# Altium PCB PCB1.PcbDoc (part 2 of 3)
Units mil, origin at the board's own origin, x right, y up, seen from the top; angles counter-clockwise.
Board outline 4795 x 5413.32 mil, 4 copper layers (Top Layer, GND, PWR, Bottom Layer), stack 13.956 mil thick; 198 components, 204 nets, 874 pads, 430 vias.
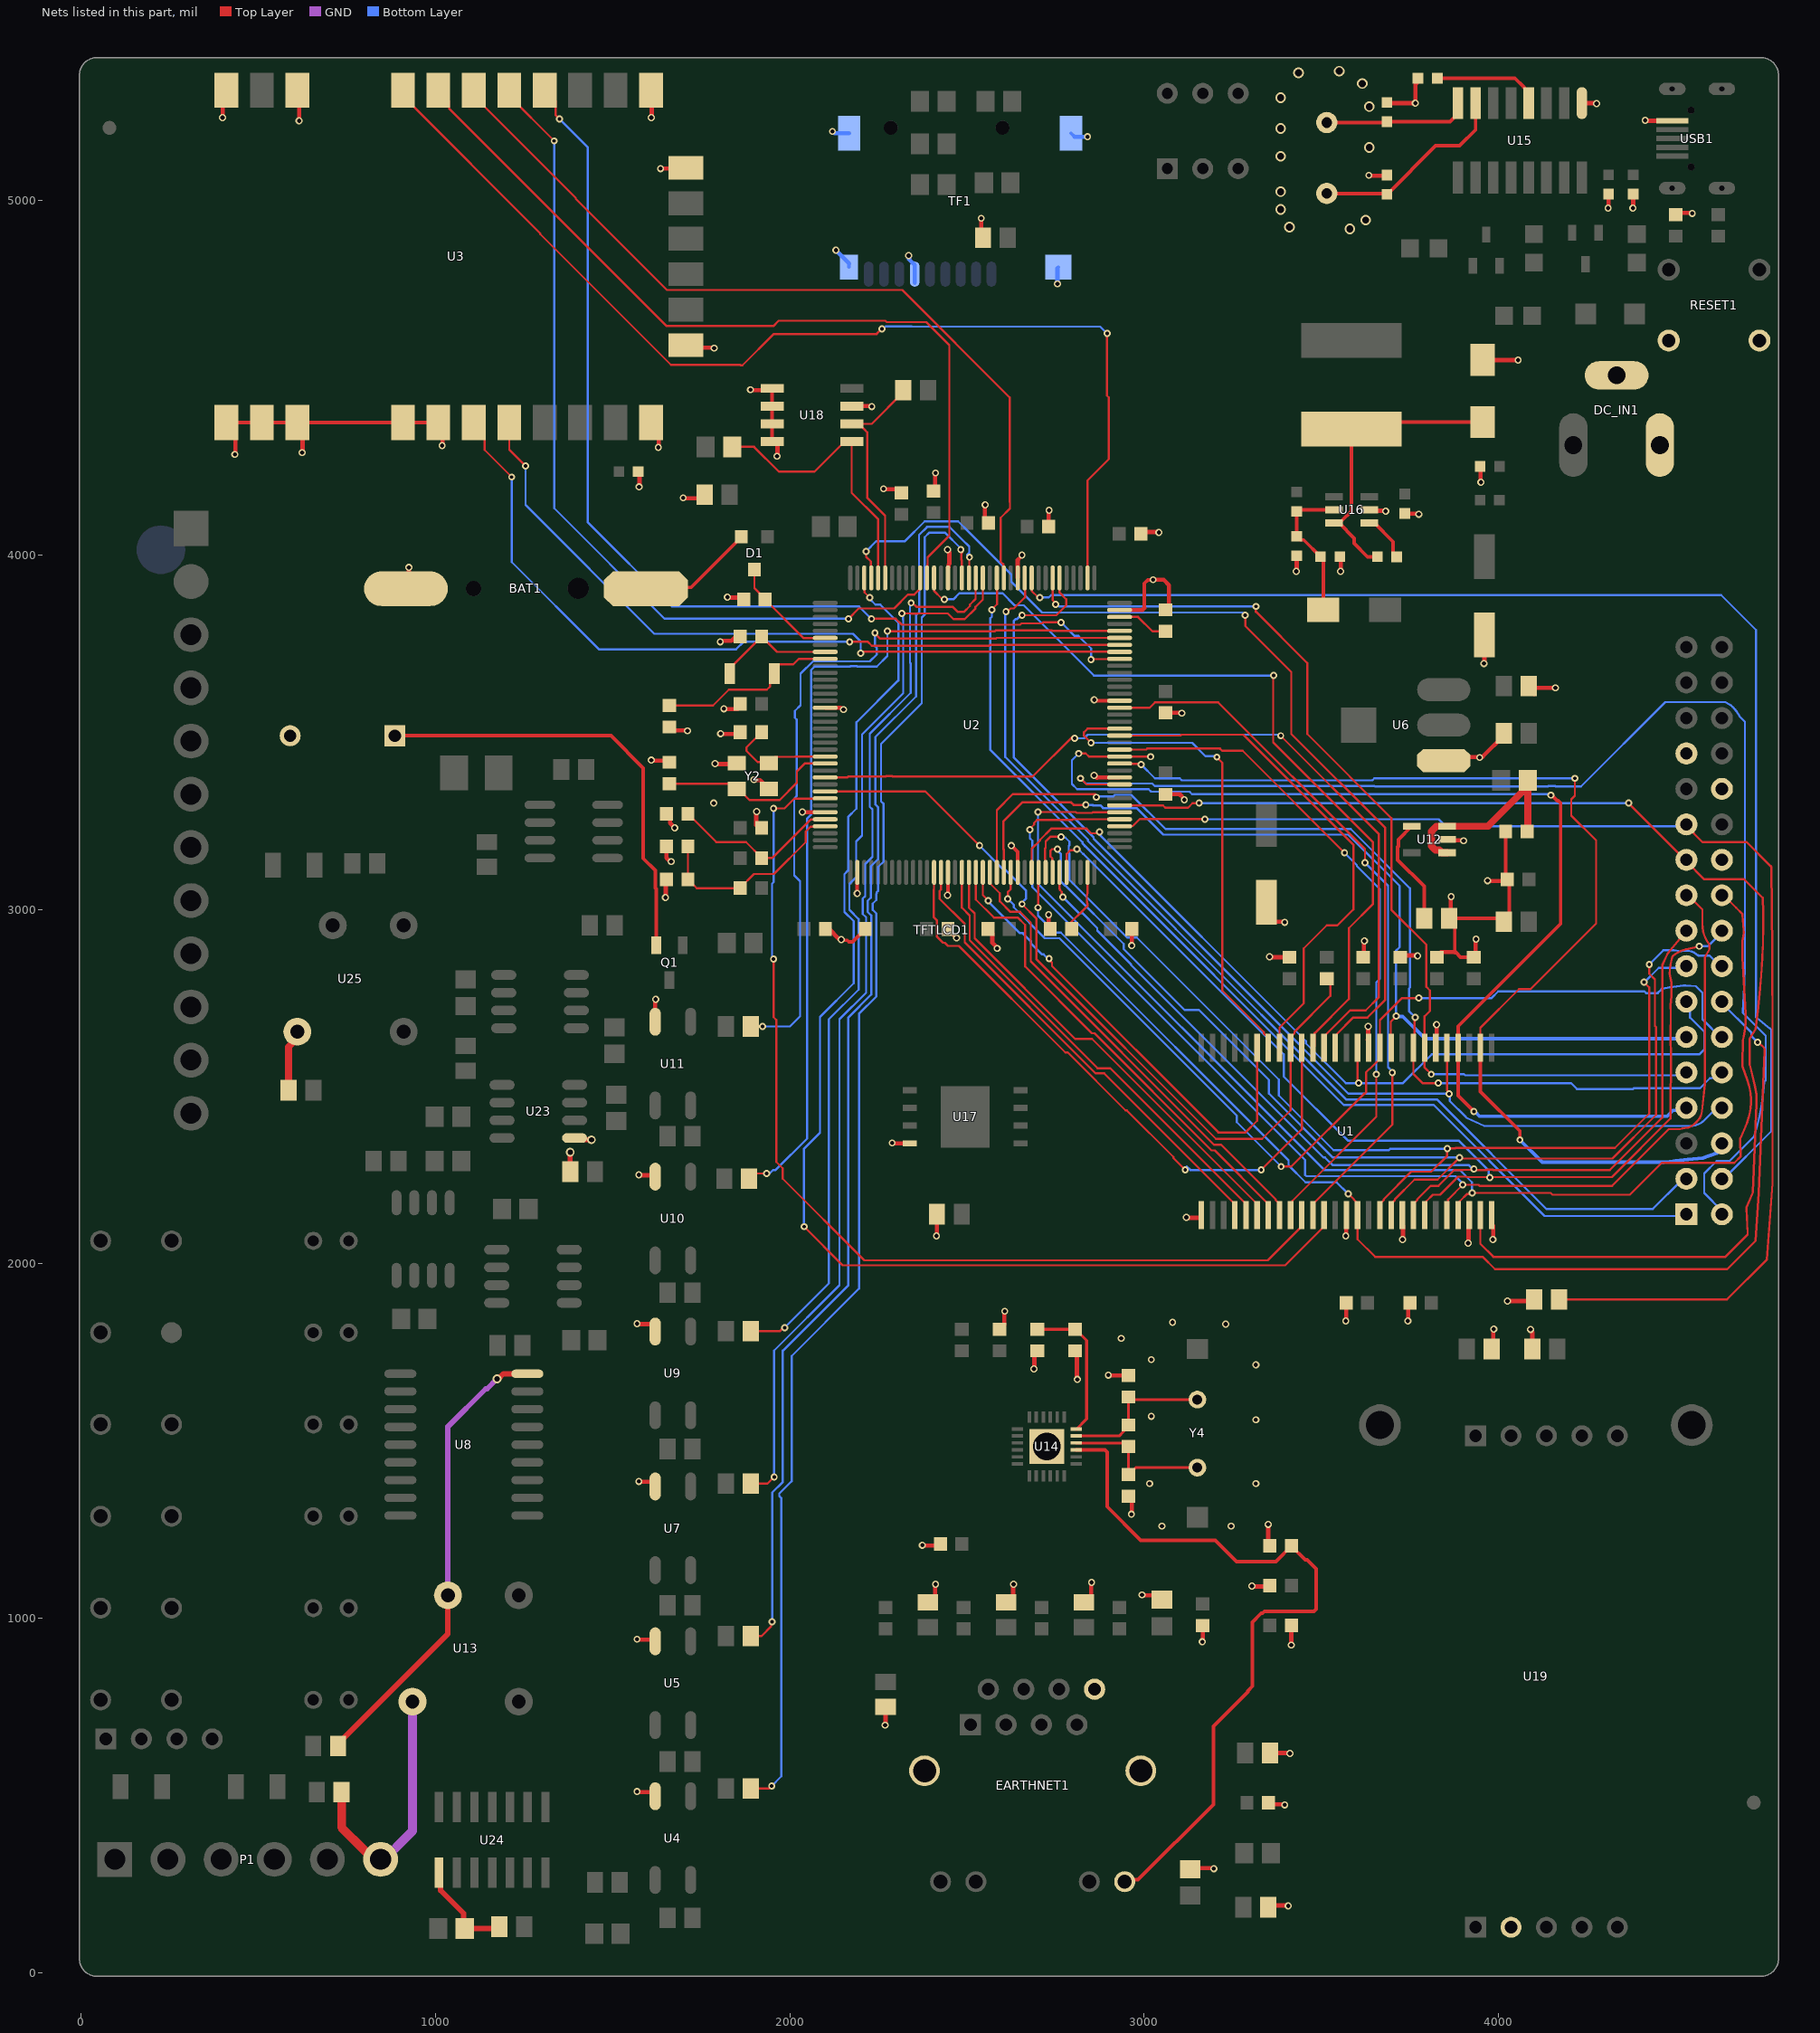
[diagram p4: the nets of this part, all layers, seen from the top]

## Via types
v1: diameter 20, hole 10, Top Layer to Bottom Layer, 249 vias
v2: diameter 20, hole 12, Top Layer to Bottom Layer, 129 vias
v3: diameter 30, hole 20, Top Layer to Bottom Layer, 41 vias
v4: diameter 25, hole 15, Top Layer to Bottom Layer, 10 vias
v5: diameter 20, hole 13, Top Layer to Bottom Layer, 1 vias

## Nets (pads, with @x,y where several pads share a name; then routed paths per layer and width w, separated by ;. In a path a pad name is that pad's centre, name@x,y a point inside that pad or via, vN(x,y) a via of type N, cw(c..) or ccw(c..) an arc to the next point about the centre after c; other vN are vias at no path point) (continued)
FMC-A6: U1.31 U2.50 | length 1328.3
  Top Layer w6: U2.50@2426.42,3104.65 2426.42,3056.12 2422.15,3051.85 2422.15,3030.54 2493.45,2959.23 2493.45,2906.95 2862.57,2537.83 2886.82,2537.83 3255.59,2169.06 U1.31@3255.59,2137.56
FMC-A7: U1.32 U2.53 | length 1320.2
  Top Layer w6: U2.53@2485.47,3104.65 2485.47,3004.73 2507.45,2982.75 2507.45,2912.75 2868.37,2551.83 2904.31,2551.83 3287.09,2169.06 U1.32@3287.09,2137.56
FMC-A8: U1.33 U2.54 | length 1331.9
  Top Layer w6: U2.54@2505.16,3104.65 2505.16,3004.84 2521.45,2988.55 2521.45,2918.55 2805.14,2634.86 2852.78,2634.86 3318.58,2169.06 U1.33@3318.58,2137.56
FMC-A9: U1.34 U2.55 | length 1357.8
  Top Layer w6: U2.55@2524.84,3104.65 2524.84,3027.84 2575.54,2977.14 2642.94,2977.14 2663.72,2956.36 2663.72,2839.36 2852.37,2650.71 2859.35,2650.71 3189.83,2320.22 3198.91,2320.22 3350.08,2169.06 U1.34@3350.08,2137.56
FMC-A10: U1.22 U2.56 | length 1347.8
  Top Layer w6: U2.56@2544.53,3104.65 2544.53,3040.64 2560,3025.17 v1(2560,3025) ; v1(2731.42,2861.67) 2731.42,2857.88 2739.72,2849.58 2739.72,2840.28 3209.15,2370.85 3285.85,2370.85 3318.58,2403.58 U1.22@3318.58,2610
  Bottom Layer w6: v1(2560,3025) 2560,3022.38 2649.23,2933.15 2656.97,2933.15 2680,2910.12 2680,2905 2711.82,2873.18 2716.12,2873.18 2727.64,2861.67 v1(2731.42,2861.67)
FMC-A11: U1.35 U2.57 | length 1333.4
  Top Layer w6: U2.57@2564.21,3104.65 2564.21,3073.72 2592.15,3045.79 2592.15,3023.15 2622.31,2992.99 2649.51,2992.99 2679.57,2962.93 2679.57,2853.31 3196.81,2336.08 3216.98,2336.08 3370.8,2182.25 3370.8,2179.83 3381.57,2169.06 U1.35@3381.57,2137.56
FMC-A12: U1.36 U2.87 | length 1925.7
  Top Layer w6: U2.87@2930.35,3451.1 3005.39,3451.1 3008.13,3453.85 3213.46,3453.85 3219.77,3447.54 3277.46,3447.54 v1(3565,3160) ; U1.36@3413.07,2137.56 3417.94,2142.43 3417.94,2177.94 3655,2415 v1(3655,2535)
  Bottom Layer w6: v1(3565,3160) 3600,3125 3600,3122.38 3665,3057.38 3665,2804.39 3655,2794.39 v1(3655,2535)
FMC-A18: TFTLCD1.2 U2.82 | length 3651.7
  Top Layer w6: v1(2820,3370) 2837.32,3352.68 U2.82@2930.35,3352.68
  Bottom Layer w6: v1(2820,3370) 2834.79,3355.21 3022.37,3355.21 3029.43,3348.15 3649.82,3348.15 3650.82,3347.15 4139.84,3347.15 4140.54,3347.85 4159.46,3347.85 4160.16,3347.15 4232.15,3347.15 4470,3585 4639.4,3585 4651.44,3578.25 cw(c4630,3540) 4663.68,3568.08 4667.39,3563.63 cw(c4633.71,3535.55) 4670.27,3559.76 4681.13,3543.27 4681.57,3542.82 4695,3529.4 4695,2830.14 4695,2830 4689.35,2710.69 4689.35,2708.07 4691.11,2706.31 4753.67,2643.75 4753.67,2518.22 4749.24,2513.79 4749.24,2513.62 cw(c4134.33,2547.18) 4720.8,2359.31 4719.8,2358.31 4651.49,2290 4615,2290 4580,2255 4580,2200 4630,2150 TFTLCD1.2@4630,2135
FMC-BA0: U1.20 U2.89 | length 1466.3
  Top Layer w6: U2.89@2930.35,3490.47 3101.93,3490.47 3104.7,3493.24 3279.83,3493.24 3590,3183.08 3590,3000 3545,2955 3515,2955 3450,2890 3450,2735 3381.57,2666.57 U1.20@3381.57,2610
FMC-BA1: U1.21 U2.90 | length 1397
  Top Layer w6: v1(2850,3470) 2830,3490 2830,3500 2840.16,3510.16 U2.90@2930.35,3510.16 ; v1(3205,3430) 3205,3428.89 3220,3413.89 3220,2771.38 3337.46,2653.93 3337.46,2649.88 3340.97,2646.37 3345.2,2646.37 3350.08,2641.5 U1.21@3350.08,2610
  Bottom Layer w6: v1(2850,3470) 3135,3470 3172.32,3432.68 3202.32,3432.68 v1(3205,3430)
FMC-D0: TFTLCD1.6 U1.2 U2.85 | length 3176.2
  Top Layer w6: U2.85@2930.35,3411.73 2931.47,3410.62 2989.38,3410.62 v1(2991.34,3408.66) ; U1.2@3948.5,2610 3948.5,2665.82 4057.69,2775 4090,2775 4275,2960 4275,3195 4205,3265 4205,3310.61 4215,3320.61 v1(4215,3370)
  Top Layer w10: U1.2@3948.5,2610 3948.5,2486.5 4060,2375 v1(4060,2350)
  Bottom Layer w6: v1(2991.34,3408.66) 3030,3370 3100.3,3370 3106.3,3364 3643.26,3364 3649.26,3370 v1(4215,3370)
  Bottom Layer w10: v1(4060,2350) 4123.04,2286.96 4449.09,2286.96 ccw(c4449.09,2578.01) 4499.25,2291.31 4533.96,2294.32 ccw(c4530,2340) 4534.6,2294.38 4575.94,2298.55 4615.52,2312.64 4618.34,2315.45 TFTLCD1.6@4630,2340
FMC-D1: TFTLCD1.7 U1.4 U2.86 | length 3323.2
  Top Layer w6: v1(2815,3440) 2835,3440 2843.58,3431.42 U2.86@2930.35,3431.42 2930.44,3431.51 3000.81,3431.51 3001.31,3431 v1(3017.6,3431)
  Top Layer w10: v1(3930,2430) 3885.51,2474.49 U1.4@3885.51,2610 3885.51,2670.51 4175,2960 4175,3300 4167.93,3307.07 4165.77,3307.07 4150.27,3322.57 v1(4147.57,3322.57)
  Bottom Layer w6: v1(2815,3440) 2796,3421 2796,3354 2810.64,3339.36 3012.1,3339.36 3019.16,3332.3 3127.4,3332.3 3134.7,3325 4145.13,3325 v1(4147.57,3322.57)
  Bottom Layer w10: v1(3930,2430) 3932.71,2430 3946.12,2416.59 4475.35,2416.59 4491.85,2433.09 4528.09,2433.09 TFTLCD1.7@4530,2435
FMC-D2: TFTLCD1.8 U1.5 U2.114 | length 3223.3
  Top Layer w6: v1(2655,3830) 2751.96,3830 2780,3858.04 2780,3875 2761.06,3893.94 U2.114@2761.06,3935.35 ; U1.5@3854.51,2609.51 3854.51,2489.28 3860,2483.79 v1(3860,2480)
  Top Layer w10: U1.5@3854.02,2610 U1.5@3854.51,2609.51
  Bottom Layer w6: v1(2655,3830) 2651.21,3830 2640.05,3818.84 2636.42,3818.84 2632.15,3814.57 2632.15,3428.18 2857.15,3203.18 2857.15,3199.58 3440.7,2616.03 3440.7,2615.52 3576.22,2480 v1(3860,2480) 3862.43,2477.56 3862.43,2459.4 3907.15,2414.69 3909.66,2412.18 3959.58,2389.1 4540.55,2389.1 ccw(c4540.55,2445.93) 4580.74,2405.74 4610,2435 TFTLCD1.8@4630,2435
FMC-D3: TFTLCD1.9 U1.7 U2.115 | length 2905.7
  Top Layer w6: U2.115@2741.38,3935.35 2741.38,3872.76 2750,3864.14 v1(2750,3860.35) ; v1(3315,3855) 3315,3840 3460,3695 3460,3495 3697.3,3257.7 3697.3,2998.9 3795.71,2900.49 3795.71,2781.82 3806,2771.53 3806,2713.37 3791.02,2698.4 U1.7@3791.02,2610 3791.02,2553.98 v1(3810,2535)
  Bottom Layer w6: v1(2750,3860.35) 2753.79,3860.35 2759.14,3855 v1(3315,3855) ; v1(3810,2535) 3902.47,2535 3905.47,2532 4527,2532 TFTLCD1.9@4530,2535
FMC-D4: TFTLCD1.10 U1.8 U2.58 | length 2919.9
  Top Layer w6: U2.58@2583.9,3104.65 2583.9,3280.11 2628.79,3325 2745.36,3325 ; 2745.39,3324.98 2861.96,3324.98 2862.32,3324.62 2862.32,3319.19 v1(2865,3316.51) ; v1(3765,2695) 3762.32,2692.32 3762.32,2612.79 U1.8@3759.53,2610 3759.53,2535.47 3785,2510 v1(3830,2510)
  Bottom Layer w6: v1(2865,3316.51) 2867.36,3318.87 2912.25,3318.87 2916.89,3323.51 2963.33,3323.51 3059.99,3226.85 3582.58,3226.85 3750,3059.43 3750,2779.48 3746.96,2776.44 3746.96,2713.04 v1(3765,2695) ; v1(3830,2510) 4204.39,2510 4221.22,2493.17 4378.82,2493.17 4381.5,2495.85 4568.35,2495.85 4596.25,2523.75 4598.49,2523.75 4599.02,2524.28 4618.22,2524.28 4618.75,2523.75 TFTLCD1.10@4630,2535
FMC-D5: TFTLCD1.11 U1.10 U2.59 | length 2696.3
  Top Layer w6: U2.59@2603.58,3104.65 2603.58,3169.1 2602.15,3170.54 2602.15,3248.36 2655.79,3302 2793.7,3302 2800.7,3295 v1(2835,3295) ; U1.10@3696.54,2610 3695.77,2610.77 3695.77,2683.12 3710.96,2698.31 v1(3710.96,2699.04)
  Bottom Layer w6: v1(2835,3295) 2854.2,3295 2855.54,3293.66 2876.04,3293.66 2883.7,3286 2978.42,3286 3053.42,3211 3576.01,3211 3721,3066.01 3721,2894.09 3710,2883.09 3710,2700 v1(3710.96,2699.04)
  Bottom Layer w10: v1(3710.96,2699.04) 3711.91,2698.09 3729.39,2698.09 3792.47,2635 TFTLCD1.11@4530,2635
FMC-D6: TFTLCD1.12 U1.11 U2.60 | length 2836.6
  Top Layer w6: v1(2615,3030) 2615.02,3049 2623.27,3057.24 U2.60@2623.27,3104.65 ; v1(3386.21,2274.69) 3414.69,2274.69 3620,2480 3622.49,2480 3626,2483.51 3626,2541 3635,2550 3636.54,2550 3665.04,2578.5 U1.11@3665.04,2610 3665.04,2687.57 3727.47,2750 v1(3775,2750)
  Bottom Layer w6: v1(2615,3030) 2631.63,3013.37 2631.63,3006.26 2718.97,2918.91 2760.78,2918.91 3261.11,2418.58 3261.11,2399.78 v1(3386.21,2274.69) ; v1(3775,2750) 3980,2750 3999,2769 4411.3,2769 4416.3,2764 4449,2764 4459.82,2774.82 4461.04,2776.04 4462.76,2776.41 cw(c4556.06,2339.09) 4522.1,2784.96 cw(c4525.28,2743.08) 4527.83,2785 4556.71,2783.29 4558.32,2781.68 4575,2765 4575,2690 TFTLCD1.12@4630,2635
FMC-D7: TFTLCD1.13 U1.13 U2.63 | length 2589.5
  Top Layer w6: U2.63@2682.32,3104.65 2682.32,3171.09 2705.84,3194.61 2705.84,3196.14 2737.55,3227.85 2837.15,3227.85 2850.1,3214.9 2857.97,3214.9 2858.02,3214.94 2870.27,3214.94 v1(2873.97,3218.64) ; v1@3602.05,2512.95 U1.13@3602.05,2610
  Top Layer w10: v1@3602.05,2512.95 v1(3605,2510)
  Bottom Layer w6: v1(2873.97,3218.64) 2872.66,3217.33 2872.66,3212.18 3456.55,2628.29 3456.55,2622.09 3568.64,2510 v1(3605,2510) 3730,2510 3811,2591 4566,2591 4580,2605 4580,2655 4539.95,2695.05 4539.95,2725.05 TFTLCD1.13@4530,2735
FMC-D8: TFTLCD1.14 U1.42 U2.64 | length 3383.7
  Top Layer w6: v1(2700,3005) 2701.23,3006.23 2701.23,3103.87 U2.64@2702.01,3104.65 ; v1(3575.32,2197.44) 3582.83,2189.93 3583.81,2189.93 3591.42,2182.31 3591.42,2181.33 3602.05,2170.71 U1.42@3602.05,2137.56 3602.05,2069.42 3651.47,2020 3955,2020 3990,1985 4645,1985 4725.22,2065.22 4733.51,2199.21 4750.79,2601.71 4750.79,2605.58 4748.09,2611.11 4745.62,2613.58 v1(4730.82,2625)
  Bottom Layer w6: v1(2700,3005) 2700,2982.69 2747.92,2934.76 2764.73,2934.76 3407.21,2292.29 3407.21,2277.79 3455,2230 3542.76,2230 v1(3575.32,2197.44) ; TFTLCD1.14@4630.65,2735 4713.79,2651.86 4713.79,2642.03 v1(4730.82,2625)
FMC-D9: TFTLCD1.15 U1.44 U2.65 | length 3110.3
  Top Layer w6: U2.65@2721.69,3104.65 2720.58,3105.76 2720.58,3142 2719.84,3142.74 2719.84,3172.26 2721.69,3174.11 2721.69,3191.69 2735,3205 v1(2765,3205) ; U1.44@3665.04,2137.56 3665.04,2169.06 3675.66,2179.68 3675.66,2182.31 3753.35,2260 3810,2260 3855,2305 v1(3855,2325) 3855.49,2325.49 3877,2325.49 3878.66,2327.15 4328.16,2327.15 4425,2423.99 4425,2780 v1(4410,2795)
  Bottom Layer w6: v1(2765,3205) 2767.43,3202.56 2777.43,3202.56 2789,3191 2789,3181.31 2786.94,3179.26 2786.94,3160.33 2789,3158.27 2789,3083.69 2951.94,2920.75 2979.25,2920.75 3380,2520 3380,2475 3534,2321 3690.61,2321 3694.61,2325 v1(3855,2325) ; v1(4410,2795) 4411.66,2795 4451.66,2835 TFTLCD1.15@4530,2835
FMC-D10: TFTLCD1.16 U1.45 U2.66 | length 3217.9
  Top Layer w6: U2.66@2741.38,3104.65 2740.6,3105.43 2740.6,3144.4 2735.69,3149.31 2735.69,3165.69 2740,3170 v1(2755,3170) ; U1.45@3696.54,2137.56 3696.54,2169.06 3707.16,2179.68 3707.16,2182.31 3762.84,2238 3828,2238 v1(3890,2300) 3892.63,2297.37 4321,2297.37 4444.04,2420.41 4444.04,2667.91 4441,2670.96 4441,2802.63 4425,2818.63 v1(4425,2845)
  Bottom Layer w6: v1(2755,3170) 2755,3166.21 2765,3156.21 2765,3078.51 2775.66,3067.85 2776.85,3067.85 2941.9,2902.8 2941.9,2888.43 3113.68,2716.66 3154.13,2716.66 3352.05,2518.74 3352.05,2480.54 3532.58,2300 v1(3890,2300) ; v1(4425,2845) 4465,2885 4494.26,2885 4514.66,2881.59 4515.16,2881.59 4516.1,2881.59 cw(c4530,2840) 4557.24,2874.36 4561.67,2870.87 ; 4561.7,2870.85 cw(c4526.69,2792.09) 4563.55,2870 4595,2870 TFTLCD1.16@4630,2835
FMC-D11: TFTLCD1.17 U1.47 U2.67 | length 2961.5
  Top Layer w6: U2.67@2761.06,3104.65 2761.06,3057.73 2761.79,3057 2761.79,3055.16 2767.32,3049.63 2767.32,3037.68 v1(2770,3035) ; U1.47@3759.53,2137.56 3759.53,2169.06 3770.15,2179.68 3770.15,2182.31 3807.84,2220 3830,2220 3875,2265 3899.23,2265 3899.35,2265.12 3927.27,2265.12 v1(3930,2267.85) ; v1@3930,2265 3965.3,2265 3966.3,2266 3983.7,2266 3984.7,2265 4314.09,2265 4462.04,2412.96 4462.04,2842.81 ; 4462.04,2842.83 4474.34,2869.95 4476.43,2874.26 cw(c4490.69,2867.35) 4478.46,2877.43 TFTLCD1.17@4530,2940 TFTLCD1.17@4530,2935
  Bottom Layer w6: v1(2770,3035) 2815.06,2989.94 2825.06,2989.94 2867.43,2947.57 2867.43,2940.48 2962.19,2845.73 2962.19,2843.97 3506.16,2300 3510,2300 3531,2279 3915.06,2279 3926.21,2267.85 v1(3930,2267.85)
  Bottom Layer w10: TFTLCD1.17@4517.71,2935 TFTLCD1.17@4530,2935
FMC-D12: TFTLCD1.18 U1.48 U2.68 | length 3130.7
  Top Layer w6: U2.68@2780.75,3104.65 2781.53,3105.43 2781.53,3156.53 2792.32,3167.32 2807.32,3167.32 v1(2809.79,3169.79) ; U1.48@3791.02,2137.56 3795.9,2142.43 3795.9,2176.35 3814.54,2195 3835,2195 3886,2246 3909.28,2246 3910.28,2245 3973.15,2245 v1(3975,2243.15) ; v1@3975,2245 4319.54,2245 4483.24,2408.7 4485,2410.46 4486.4,2609.2 4485.86,2613.84 cw(c4646.74,2632.82) 4485.14,2621.48 4485.14,2621.69 4485.14,2624.18 4485.25,2637.36 4485.79,2713.34 ccw(c4479.79,2713.42) 4485.79,2713.46 4485.79,2713.87 4485.72,2714.3 cw(c4565.08,2726.02) 4486.07,2739.88 4486.22,2742.56 cw(c4530,2740) 4486.77,2747.37 4487.41,2751.08 4487.7,2792.84 4487.7,2793.47 4482.69,2818.72 cw(c4643.39,2817.24) 4490.19,2865.8 cw(c4495.91,2863.99) 4491.9,2868.45 cw(c4548.23,2805.32) 4528.5,2887.59 cw(c4529.87,2881.75) 4528.68,2887.63 4565,2895 4565,2895.46 v1(4565.81,2896.27)
  Bottom Layer w6: v1(2809.79,3169.79) 2814.43,3169.79 2827.28,3156.94 2828.06,3156.94 3394,2591 3394,2528.42 3574.57,2347.85 3887.15,2347.85 3972.32,2262.68 3972.32,2245.83 v1(3975,2243.15) ; v1(4565.81,2896.27) 4591.72,2896.72 TFTLCD1.18@4630,2935
FMC-D13: TFTLCD1.19 U1.50 U2.77 | length 3534.2
  Top Layer w6: v1(2677.15,3225) 2677.15,3227.91 2689.13,3239.89 2689.13,3244.13 2697.15,3252.15 2796.6,3252.15 2798.7,3254.25 U2.77@2930.35,3254.25 ; U1.50@3854.02,2137.56 3856.89,2140.43 3856.89,2181.31 3900.58,2225 3902.43,2223.15 3943.34,2223.15 3946.19,2220.3 4320.3,2220.3 4480,2380 4512.03,2380 cw(c4530,2340) 4532.35,2383.79 ccw(c4532.62,2389.78) 4534.78,2384.18 ccw(c4512.65,2440.67) 4544.95,2389.31 ccw(c4507.7,2448.54) 4562.63,2405.21 4566.33,2409.88 4566.76,2410.26 ; TFTLCD1.19@4530,3035 4540,3035 4575,3000 4575,2959.6 4575,2959.53 ccw(c4673.57,2959.53) 4595.09,2899.89 4595.09,2897.91 4595.09,2888.17 4581.76,2864.16 4581.76,2507.56 4581.72,2507.25 4573.61,2430.4 cw(c4521.36,2435.91) 4568.16,2412.05 cw(c4562.83,2414.79) 4566.79,2410.29
  Bottom Layer w6: v1(2677.15,3225) 2677.15,3200.7 2684.15,3193.7 2684.15,3063.16 3453.88,2293.43 3453.88,2250.91 3457.4,2247.4 3878.18,2247.4 3898.73,2226.85 v1(3898.73,2223.15)
FMC-D14: TFTLCD1.20 U1.51 U2.78 | length 3701.2
  Top Layer w6: v1(2700,3275) 2806.47,3275 2809.32,3272.15 2852.84,3272.15 2854.62,3273.94 U2.78@2930.35,3273.94 ; U1.51@3885.51,2137.56 3890.39,2142.43 3890.39,2176.57 3911.14,2197.32 3922.32,2197.32 v1(3925,2200) 4146.89,2200 4151.89,2195 4370,2195 4460,2285 4665,2285 4683.24,2303.24 4683.24,2308.1 4681.87,2345.03 4681.87,2353.84 4697.37,2389.1 ccw(c4536.5,2459.79) 4702.16,2518.39 4688.19,2557.99 4688.16,2558.08 4688.16,2574.63 4689.32,2620.86 ; TFTLCD1.20@4630,3035 4640,3035 4670,3005 4687.03,2987.97 4687.87,2987.13 4691.29,2940.47 cw(c4631.76,2936) 4691.37,2932.77 cw(c4598.95,2937.75) 4689.37,2917.97 4687.85,2911.04 4687.86,2859.22 4689.29,2846.95 cw(c4630,2840) 4689.61,2843.22 4697.04,2705.66 cw(c4500.79,2695.07) 4697.32,2696.01 cw(c4454.02,2694.84) 4693.08,2649.6 4689.8,2632.3 ccw(c4695.7,2631.18) 4689.7,2631.18 4689.7,2622.82 ccw(c4695.32,2620.71) 4689.32,2620.9
  Bottom Layer w6: v1(2700,3275) 2700,3072.69 3507.69,2265 3890.28,2265 3925,2230.28 v1(3925,2200)
FMC-D15: TFTLCD1.21 U1.53 U2.79 | length 3774.1
  Top Layer w6: U2.79@2930.35,3293.62 2930.45,3293.53 3052.93,3293.53 3059.85,3286.6 3123.1,3286.6 3136,3299.5 3154.5,3299.5 v1(3155,3300) ; U1.53@3948.5,2137.56 3948.5,2056.5 3985,2020 4640,2020 4702.76,2082.76 4702.76,2085.38 4699.66,2157.33 4699.66,2159.26 4699.67,2159.67 4717.66,2202.41 4727.91,2451.94 ccw(c4536.5,2459.79) 4722.62,2505.14 4709.01,2560.99 4707.97,2562.03 4707.97,2564.36 4707.97,2615.53 4707.97,2634.46 4725.25,2662.26 ccw(c2217.08,3001.86) 4744.37,2863.83 ccw(c3076.52,2954.93) 4745.03,3032.93 4692.96,3085 4580,3085 4530,3135 4530,3135.92 4366.85,3299.08 v1(4366.85,3300)
  Bottom Layer w6: v1(3155,3300) 3659.11,3300 3659.39,3299.72 4157.03,3299.72 4157.31,3300 v1(4366.85,3300)
FMC-NBL0: U1.15 U2.141 | length 2773.2
  Top Layer w6: v1(2215,4010) 2215,3995 2228.9,3981.1 2228.9,3936.03 U2.141@2229.57,3935.35 ; v1(3285,3830) 3285,3800 3415,3670 3415,3495 3680,3230 3680,2745 3630,2695 3590,2695 3543.93,2648.93 3543.93,2614.87 U1.15@3539.05,2610
  Bottom Layer w6: v1(2215,4010) 2244,4039 2324.54,4039 2380.63,4095.09 2474.76,4095.09 2504.92,4064.93 2505.07,4064.93 2625,3945 2625,3924.4 2711.9,3837.5 3277.5,3837.5 v1(3285,3830)
FMC-NBL1: U1.39 U2.142 | length 3600
  Top Layer w6: v1(2040,2105) 2149,1996 3397.49,1996 3507.56,2106.06 U1.39@3507.56,2137.56 ; U2.142@2209.88,3935.35 2210.66,3934.57 2210.66,3894.34 v1(2225,3880)
  Bottom Layer w6: v1(2040,2105) 2040,2325.2 2085,2370.2 2085,2696.69 2180,2791.69 2180,2966.85 2153.75,2993.1 2153.75,3099.19 2164.48,3109.92 2164.48,3260.97 2187.85,3284.34 2187.85,3527.85 2306,3646 2306,3809 2255,3860 2241.21,3860 2225,3876.21 v1(2225,3880)
FMC-NE1: TFTLCD1.1 U2.123 | length 3004.9
  Top Layer w6: v1(2570,3845) 2570,3846.76 2584.68,3861.44 2584.68,3934.57 U2.123@2583.9,3935.35
  Bottom Layer w6: v1(2570,3845) 2570,3825.72 2565.85,3821.57 2565.85,3449.65 2825.45,3190.05 2825.45,3186.45 2832.64,3179.26 2832.64,3178.75 3563.09,2448.3 3816.7,2448.3 4130,2135 TFTLCD1.1@4530,2135
FMC-NOE: TFTLCD1.4 U2.118 | length 3763.7